# Allegro board TDI_KU5P_QSFP28_CXP_V001-20240805_1841.brd (continued)
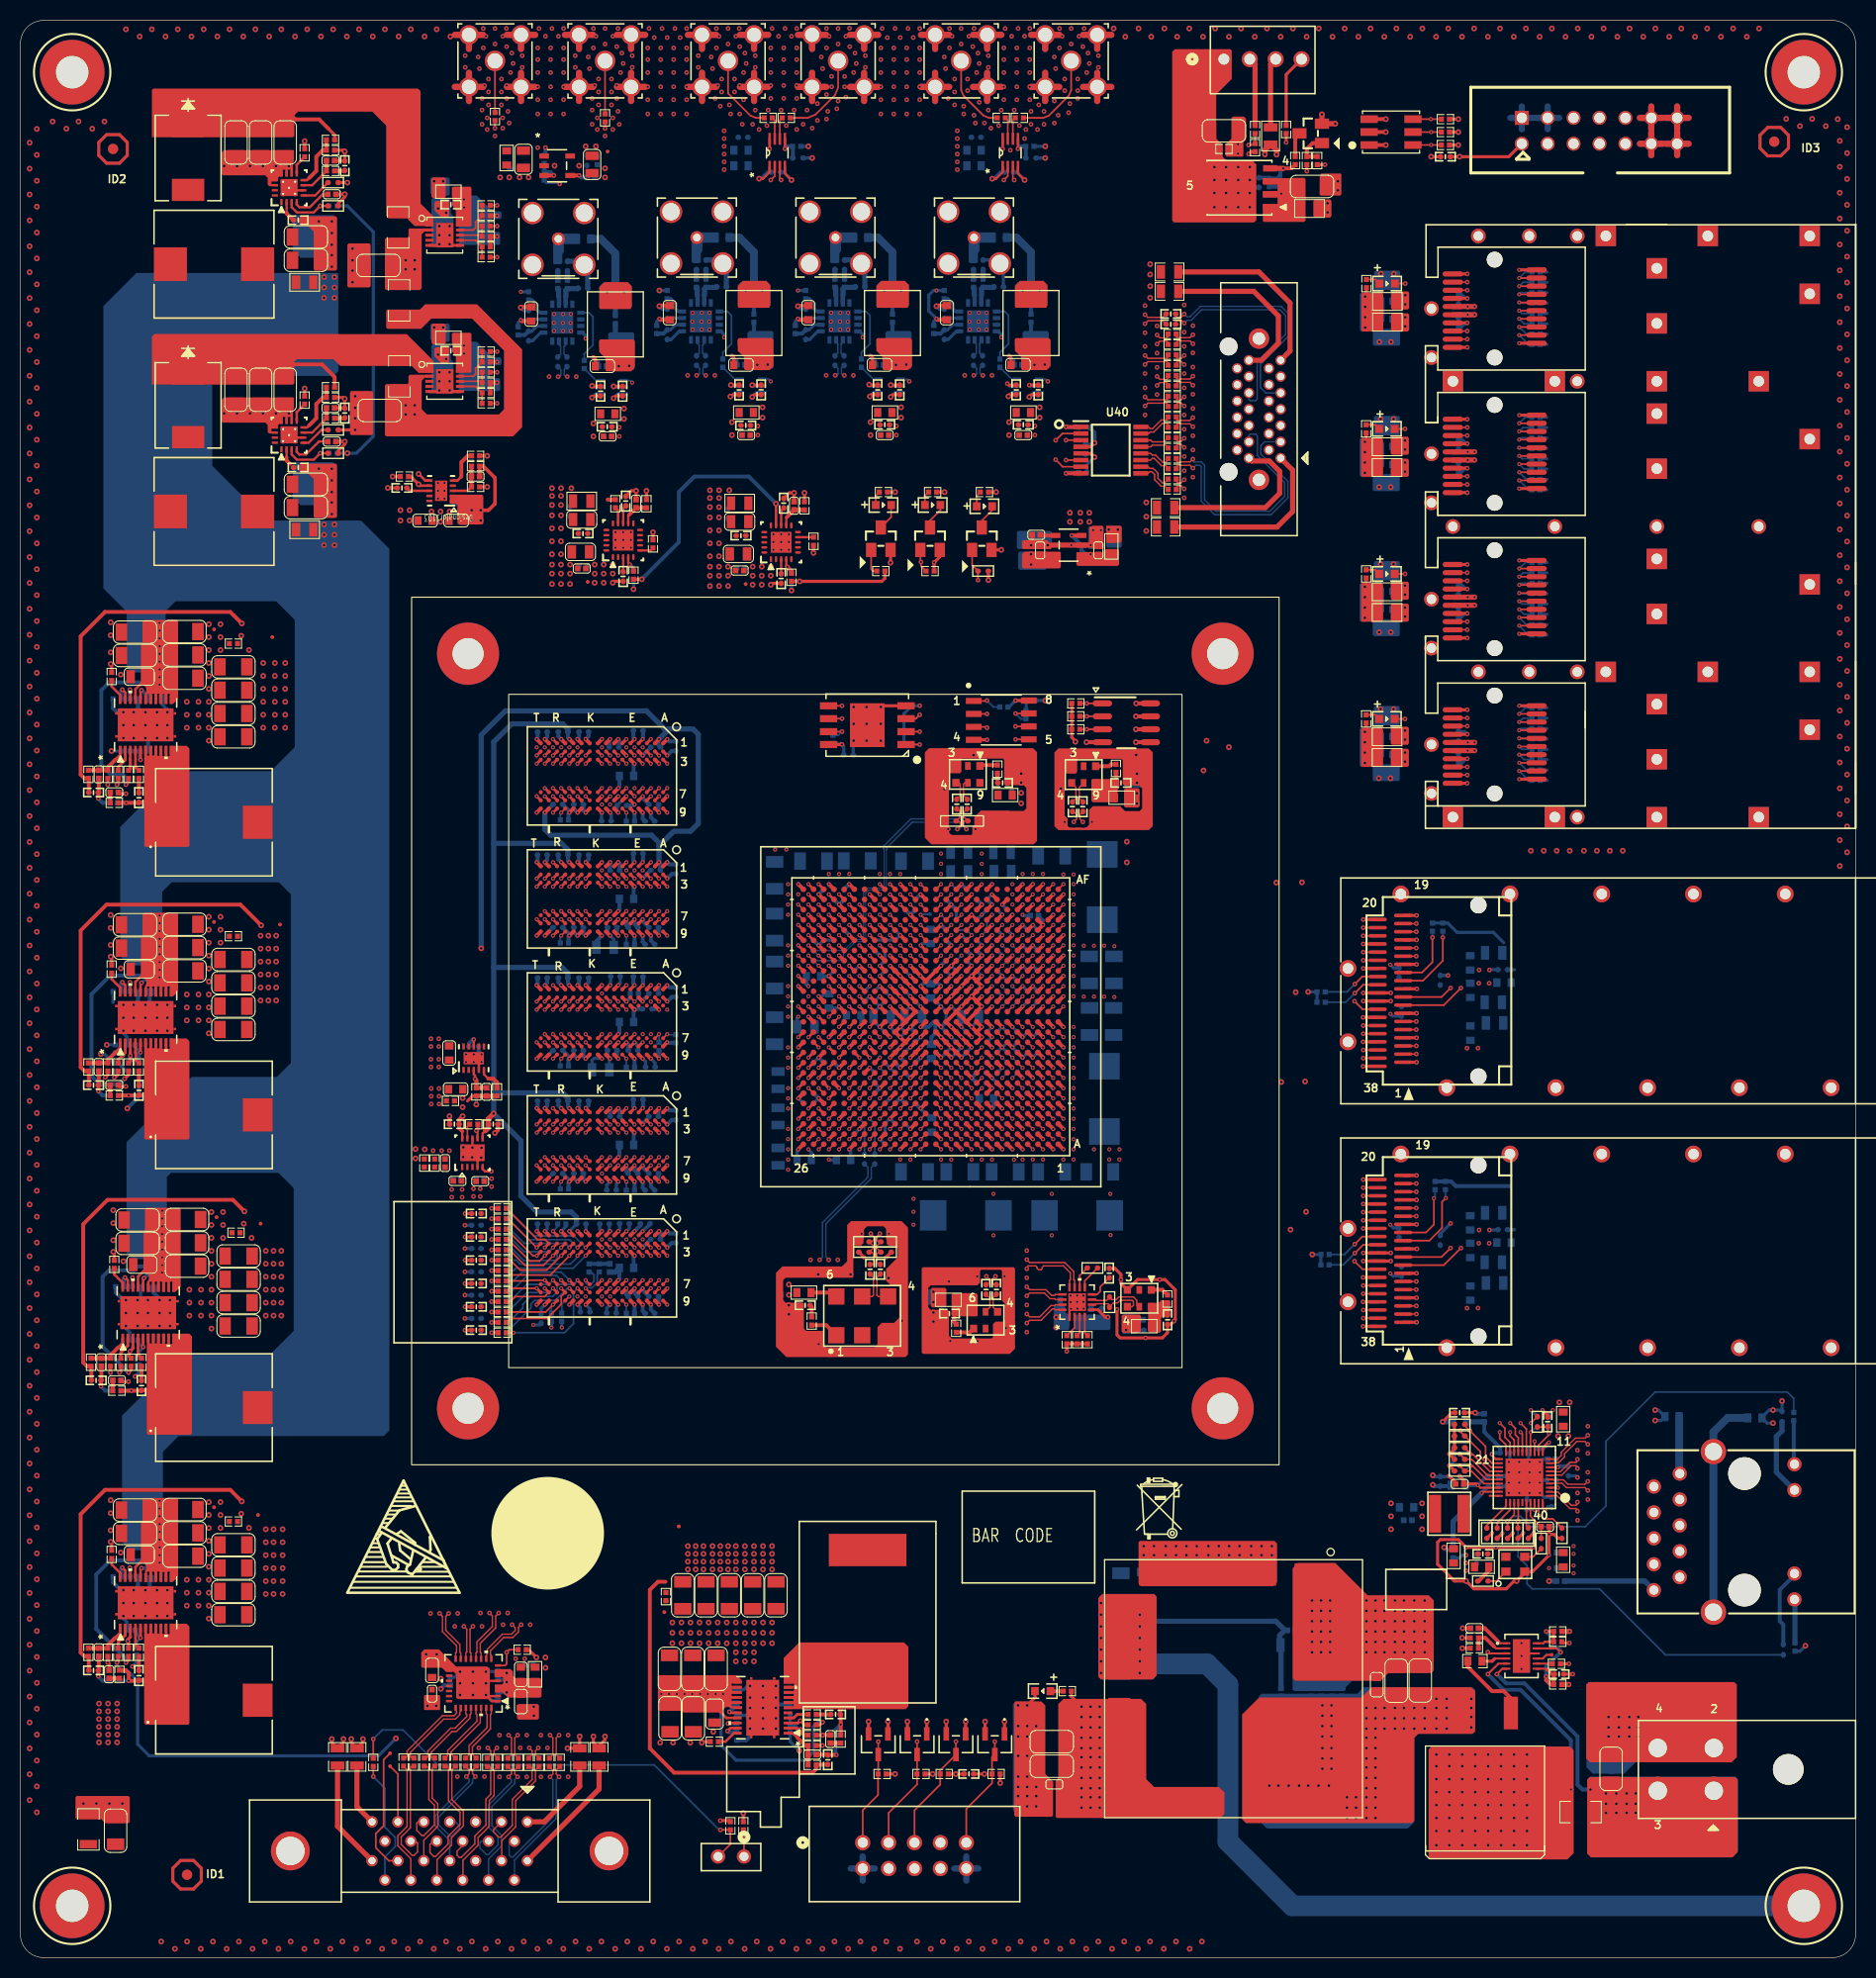
[diagram p0: board, top side]
## Routing (per net, layer and track width the routed paths; a pad name or vN(x,y) marks a point on that pad's centre or on a via; arc(x,y) is an arc through that point) (continued)
TIMING_SPI_MISO_P: length 84.8
  TOP w0.14: v2(46.74,20.57) 46.46,20.29 46.46,19.9 R380.1
  TOP w0.17: U1.C21 v1(81.29,81.27)
  ART12 w0.102: 81.96,78.77 81.96,78.79 81.9,78.84 81.9,80.59 81.62,80.88 81.39,80.88 81.29,80.98 v1(81.29,81.27)
  ART12 w0.114: 81.96,78.77 81.96,76.96 77.05,72.06 75.25,72.06 72.38,69.19 72.38,60.22 52.39,40.23 52.39,36.08 52.1,35.79 51.52,35.79 51.4,35.67 51.4,35.21 51.52,35.1 52.1,35.1 52.39,34.81 52.39,34.09 52.1,33.8 51.52,33.8 51.4,33.69 51.4,33.23 51.52,33.11 52.1,33.11 52.39,32.82 52.39,32.11 52.1,31.81 51.52,31.81 51.4,31.7 51.4,31.24 51.52,31.13 52.1,31.13 52.39,30.83 52.39,27.28 51.76,26.64 49.6,26.64 46.45,23.5 46.45,20.69 46.56,20.57 v2(46.74,20.57)
TIMING_SPI_MOSI_N: length 75.4
  TOP w0.14: v2(51.95,21.82) 52.23,21.54 52.23,19.9 R369.1
  TOP w0.17: U1.A18 v1(84.29,79.28)
  ART12 w0.114: v2(51.95,21.82) 52.12,21.82 52.24,21.93 52.24,22.43 56.27,26.46 56.27,39.22 76.01,58.96 76.01,68.3 77.16,69.44 78.63,69.44 84.59,75.41 84.59,79.19 84.51,79.28 v1(84.29,79.28)
TIMING_SPI_MOSI_P: length 75.5
  TOP w0.14: R368.1 52.55,19.9 52.55,21.54 v2(52.83,21.82)
  TOP w0.17: U1.A17 v1(85.29,79.28)
  ART12 w0.114: v2(52.83,21.82) 52.66,21.82 52.54,21.93 52.54,22.3 56.58,26.34 56.58,39.09 76.32,58.83 76.32,68.17 77.28,69.14 78.76,69.14 84.9,75.28 84.9,79.12 85.06,79.28 v1(85.29,79.28)
TO_CAMERA_CLK_N: length 124.8
  TOP w0.14: v2(110.3,160.25) 110.6,160.54 112.03,160.54 C529.2
  TOP w0.17: U1.B17 v1(85.29,80.27)
  ART05 w0.102: 84.95,78.41 84.95,78.44 84.9,78.49 84.9,80.63 85.05,80.77 85.19,80.77 85.29,80.67 v1(85.29,80.27)
  ART05 w0.114: 84.95,78.41 84.95,76 85.19,75.76 85.35,75.76 85.42,75.83 85.58,75.83 85.74,75.67 85.74,75.51 85.67,75.44 85.67,75.28 85.83,75.11 86,75.11 86.06,75.18 86.23,75.18 86.39,75.02 86.39,74.86 86.32,74.79 86.32,74.63 86.48,74.47 86.64,74.47 86.71,74.54 86.87,74.54 87.03,74.37 87.03,74.21 86.97,74.14 86.97,73.98 87.01,73.94 88.05,73.94 88.56,73.43 106.44,73.43 113.17,80.16 113.17,159.49 112.03,160.63 110.42,160.63 110.3,160.52 v2(110.3,160.25)
TO_CAMERA_CLK_P: length 125.1
  TOP w0.14: v2(110.3,161.14) 110.57,160.87 112.03,160.87 C528.2
  TOP w0.17: U1.C17 v1(85.29,81.27)
  ART05 w0.102: 84.65,78.41 84.65,78.44 84.7,78.49 84.7,80.71 84.96,80.98 85.19,80.98 85.29,81.08 v1(85.29,81.27)
  ART05 w0.114: v2(110.3,161.14) 110.5,160.94 112.16,160.94 113.48,159.62 113.48,80.04 106.57,73.13 88.43,73.13 87.92,73.63 86.88,73.63 84.65,75.87 84.65,78.41
TO_CAMERA_LVDS0_N: length 126.1
  TOP w0.14: v2(110.3,152.18) 110.58,152.46 112.44,152.46 112.57,152.34 R341.1
  TOP w0.17: U1.A15 v1(87.29,79.28)
  ART05 w0.102: v1(87.29,79.28) 87.29,79.57 87.19,79.68 87.05,79.68 86.93,79.56 86.93,78.03 86.99,77.98 86.99,77.95
  ART05 w0.114: 86.99,77.95 86.99,77.85 88.95,75.88 104.99,75.88 106.4,77.29 107.58,77.29 108.24,77.95 108.24,80 108.13,80.11 106.51,80.11 105.93,80.7 105.93,82.21 106.22,82.5 107.35,82.5 107.65,82.21 107.65,81.45 107.76,81.33 108.22,81.33 108.33,81.45 108.33,82.21 108.63,82.5 111.12,82.5 111.23,82.61 111.23,124.46 111.12,124.58 110.47,124.58 110.18,124.87 110.18,125.58 110.47,125.88 111.12,125.88 111.23,125.99 111.23,126.45 111.12,126.56 110.47,126.56 110.18,126.86 110.18,127.57 110.47,127.86 111.12,127.86 111.23,127.98 111.23,128.43 111.12,128.55 110.47,128.55 110.18,128.84 110.18,129.55 110.47,129.85 111.12,129.85 111.23,129.96 111.23,130.42 111.12,130.53 110.47,130.53 110.18,130.83 110.18,131.54 110.47,131.83 111.12,131.83 111.23,131.95 111.23,132.41 111.12,132.52 110.47,132.52 110.18,132.81 110.18,133.53 110.47,133.82 111.12,133.82 111.23,133.93 111.23,134.39 111.12,134.51 110.47,134.51 110.18,134.8 110.18,135.51 110.47,135.81 111.12,135.81 111.23,135.92 111.23,136.38 111.12,136.49 110.47,136.49 110.18,136.79 110.18,137.5 110.47,137.79 111.12,137.79 111.23,137.91 111.23,147.67 111.12,147.78 111,147.78 110.89,147.9 110.89,148.12 111,148.24 111.12,148.24 111.23,148.35 111.23,148.58 111.12,148.7 111,148.7 110.89,148.81 110.89,149.04 111,149.15 111.12,149.15 111.23,149.27 111.23,149.5 111.12,149.61 111,149.61 110.89,149.72 110.89,149.95 111,150.07 111.12,150.07 111.23,150.18 111.23,150.41 111.12,150.52 111,150.52 110.89,150.64 110.89,150.87 111,150.98 111.12,150.98 111.23,151.1 111.23,152.29 111.04,152.47 110.59,152.47 v2(110.3,152.18)
TO_CAMERA_LVDS0_P: length 126.3
  TOP w0.14: R340.1 112.57,152.92 112.44,152.79 110.58,152.79 v2(110.3,153.07)
  TOP w0.17: U1.B15 v1(87.29,80.27)
  ART05 w0.102: 86.68,77.95 86.68,77.98 86.73,78.03 86.73,79.65 86.96,79.88 87.19,79.88 87.29,79.98 v1(87.29,80.27)
  ART05 w0.114: 86.68,77.95 86.68,77.72 88.83,75.57 105.12,75.57 106.53,76.98 107.71,76.98 108.55,77.83 108.55,80.12 108.26,80.42 106.64,80.42 106.24,80.82 106.24,82.08 106.35,82.19 107.23,82.19 107.34,82.08 107.34,81.32 107.63,81.03 108.35,81.03 108.64,81.32 108.64,82.08 108.76,82.19 111.24,82.19 111.54,82.49 111.54,124.59 111.24,124.88 110.6,124.88 110.48,125 110.48,125.45 110.6,125.57 111.24,125.57 111.54,125.86 111.54,126.57 111.24,126.87 110.6,126.87 110.48,126.98 110.48,127.44 110.6,127.55 111.24,127.55 111.54,127.85 111.54,128.56 111.24,128.85 110.6,128.85 110.48,128.97 110.48,129.43 110.6,129.54 111.24,129.54 111.54,129.83 111.54,130.55 111.24,130.84 110.6,130.84 110.48,130.96 110.48,131.41 110.6,131.53 111.24,131.53 111.54,131.82 111.54,132.53 111.24,132.83 110.6,132.83 110.48,132.94 110.48,133.4 110.6,133.51 111.24,133.51 111.54,133.81 111.54,134.52 111.24,134.81 110.6,134.81 110.48,134.93 110.48,135.39 110.6,135.5 111.24,135.5 111.54,135.79 111.54,136.51 111.24,136.8 110.6,136.8 110.48,136.91 110.48,137.37 110.6,137.49 111.24,137.49 111.54,137.78 111.54,152.41 111.17,152.78 110.59,152.78 v2(110.3,153.07)
TO_CAMERA_LVDS1_N: length 126.7
  TOP w0.14: R344.1 112.57,154.34 112.44,154.47 111.76,154.47 v2(111.48,154.19)
  TOP w0.17: U1.E17 v1(85.29,83.28)
  ART05 w0.102: 88.51,81.63 88.48,81.63 88.43,81.69 86.9,81.69 86.68,81.91 86.68,82.47 86.47,82.68 85.89,82.68 85.62,82.95 85.62,83.17 85.51,83.28 v1(85.29,83.28)
  ART05 w0.114: v2(111.48,154.19) 111.19,154.48 110.05,154.48 109.51,153.95 109.51,124.51 110.56,123.47 110.56,86.6 110.26,86.31 105.36,86.31 105.25,86.19 105.25,85.78 105.36,85.67 110.24,85.67 110.53,85.37 110.53,84.66 110.24,84.37 109.76,84.37 109.65,84.25 109.65,83.53 109.35,83.24 108.64,83.24 108.35,83.53 108.35,84.25 108.23,84.37 107.78,84.37 107.66,84.25 107.66,83.53 107.37,83.24 106.66,83.24 106.36,83.53 106.36,84.25 106.25,84.37 105.36,84.37 105.25,84.25 105.25,80.46 106.11,79.6 106.11,78.54 104.11,76.54 89.57,76.54 88.71,77.39 88.71,81.53 88.61,81.63 88.51,81.63
TO_CAMERA_LVDS1_P: length 126.7
  TOP w0.14: v2(111.48,155.08) 111.76,154.8 112.44,154.8 112.57,154.93 R343.1
  TOP w0.17: U1.E16 v1(86.29,83.28)
  ART05 w0.102: v1(86.29,83.28) 85.92,83.28 85.82,83.17 85.82,83.03 85.97,82.88 86.55,82.88 86.88,82.55 86.88,81.99 86.98,81.89 88.43,81.89 88.48,81.94 88.51,81.94
  ART05 w0.114: v2(111.48,155.08) 111.48,154.9 111.37,154.79 109.92,154.79 109.21,154.07 109.21,124.38 110.25,123.34 110.25,86.73 110.13,86.62 105.24,86.62 104.94,86.32 104.94,85.65 105.24,85.36 110.11,85.36 110.22,85.24 110.22,84.79 110.11,84.67 109.64,84.67 109.34,84.38 109.34,83.66 109.23,83.54 108.77,83.54 108.66,83.66 108.66,84.38 108.36,84.67 107.65,84.67 107.35,84.38 107.35,83.66 107.24,83.54 106.78,83.54 106.67,83.66 106.67,84.38 106.37,84.67 105.24,84.67 104.94,84.38 104.94,80.34 105.8,79.48 105.8,78.66 103.98,76.84 89.69,76.84 89.02,77.52 89.02,81.66 88.74,81.94 88.51,81.94
TO_CAMERA_LVDS2_N: length 125.2
  TOP w0.14: R348.1 112.57,156.4 112.44,156.53 110.58,156.53 v2(110.3,156.25)
  TOP w0.17: U1.D15 v1(87.29,82.28)
  ART05 w0.102: 88.71,82.62 88.69,82.62 88.63,82.67 87.57,82.67 87.29,82.4 v1(87.29,82.28)
  ART05 w0.114: v2(110.3,156.25) 110.3,156.32 110.19,156.44 109.85,156.44 108.55,155.14 108.55,112.98 109.54,111.99 109.54,91.02 109.25,90.73 104.27,90.73 104.16,90.61 104.16,90.25 104.27,90.14 109.07,90.14 109.36,89.84 109.36,87.67 109.07,87.38 108.19,87.38 107.9,87.67 107.9,88.68 107.78,88.8 107.33,88.8 107.21,88.68 107.21,87.67 106.92,87.38 105.16,87.38 104.86,87.67 104.86,88.72 104.75,88.84 104.27,88.84 104.16,88.72 104.16,78.18 103.42,77.44 89.98,77.44 89.57,77.85 89.57,81.92 88.87,82.62 88.71,82.62
TO_CAMERA_LVDS2_P: length 125.5
  TOP w0.14: R347.1 112.57,156.99 112.44,156.86 110.58,156.86 v2(110.3,157.14)
  TOP w0.17: U1.E15 v1(87.29,83.28)
  ART05 w0.102: 88.71,82.93 88.69,82.93 88.63,82.88 87.39,82.88 87.29,82.98 v1(87.29,83.28)
  ART05 w0.114: v2(110.3,157.14) 110.3,156.86 110.19,156.74 109.72,156.74 108.24,155.26 108.24,112.85 109.23,111.86 109.23,91.15 109.12,91.04 104.14,91.04 103.85,90.74 103.85,90.12 104.14,89.83 108.94,89.83 109.05,89.72 109.05,87.8 108.94,87.68 108.32,87.68 108.21,87.8 108.21,88.81 107.91,89.1 107.2,89.1 106.91,88.81 106.91,87.8 106.79,87.68 105.28,87.68 105.17,87.8 105.17,88.85 104.88,89.14 104.14,89.14 103.85,88.85 103.85,78.31 103.29,77.75 90.11,77.75 89.88,77.98 89.88,82.05 89,82.93 88.71,82.93
TO_CAMERA_LVDS3_N: length 122.7
  TOP w0.14: R352.1 112.57,158.41 112.44,158.54 111.76,158.54 v2(111.48,158.25)
  TOP w0.17: U1.C16 v1(86.29,81.27)
  ART05 w0.102: 85.97,77.95 85.97,77.96 85.92,78.02 85.92,81.7 86.05,81.83 86.19,81.83 86.29,81.72 v1(86.29,81.27)
  ART05 w0.114: 85.97,77.95 85.97,77.34 88.91,74.4 89.17,74.4 89.28,74.52 89.28,74.59 89.4,74.7 89.63,74.7 89.74,74.59 89.74,74.52 89.86,74.4 90.08,74.4 90.2,74.52 90.2,74.59 90.31,74.7 90.54,74.7 90.66,74.59 90.66,74.52 90.77,74.4 91,74.4 91.11,74.52 91.11,74.59 91.23,74.7 91.46,74.7 91.57,74.59 91.57,74.52 91.68,74.4 91.91,74.4 92.03,74.52 92.03,74.59 92.14,74.7 92.37,74.7 92.48,74.59 92.48,74.52 92.6,74.4 105.02,74.4 106.97,76.35 107.99,76.35 109.23,77.6 109.23,79.17 109.53,79.47 111.1,79.47 111.21,79.58 111.21,80.04 111.1,80.15 109.53,80.15 109.23,80.45 109.23,81.11 109.53,81.41 112.09,81.41 112.2,81.52 112.2,158.48 112.08,158.6 111.6,158.6 111.48,158.48 v2(111.48,158.25)
TO_CAMERA_LVDS3_P: length 122.9
  TOP w0.14: R351.1 112.57,159.02 112.41,158.86 111.76,158.86 v2(111.48,159.14)
  TOP w0.17: U1.D16 v1(86.29,82.28)
  ART05 w0.102: v1(86.29,82.28) 86.29,82.13 86.19,82.03 85.96,82.03 85.71,81.78 85.71,78 85.66,77.95
  ART05 w0.114: 85.66,77.95 85.66,77.21 88.78,74.1 105.15,74.1 107.1,76.05 108.12,76.05 109.54,77.47 109.54,79.04 109.65,79.16 111.23,79.16 111.52,79.45 111.52,80.16 111.23,80.46 109.65,80.46 109.54,80.57 109.54,80.99 109.65,81.1 112.21,81.1 112.51,81.39 112.51,158.6 112.21,158.9 111.6,158.9 111.48,159.02 v2(111.48,159.14)
TO_CAMERA_RSV0_N: length 26
  TOP w0.14: v2(115,151.04) 114.72,150.76 113.5,150.76 113.37,150.89 R338.1
  ART10 w0.114: J14.18 120.5,150.76 120.92,151.18 121.24,151.18 121.35,151.07 121.35,147.42 123.08,145.69 123.08,144 122.41,143.33 118.25,143.33 116.4,145.19 116.4,150.19 115.89,150.7 115.14,150.7 115,150.84 v2(115,151.04)
TO_CAMERA_RSV0_P: length 25.9
  TOP w0.14: v2(115,150.15) 114.72,150.43 113.5,150.43 113.37,150.3 R335.1
  ART10 w0.114: J14.5 121.77,150.27 121.66,150.15 121.66,147.55 123.39,145.82 123.39,143.87 122.54,143.02 118.12,143.02 116.09,145.06 116.09,150.06 115.76,150.39 115.14,150.39 115,150.25 v2(115,150.15)
TO_CAMERA_RSV1_N: length 25.1
  TOP w0.14: v2(114.15,148.12) 113.87,148.4 113.5,148.4 113.37,148.27 R342.1
  ART12 w0.114: v2(114.15,148.12) 114.44,148.41 115.28,148.41 115.86,147.83 115.86,143.26 117.16,141.96 122.25,141.96 123.79,143.5 123.79,145.36 121.66,147.5 121.66,149.79 121.77,149.91 122.02,149.91 J14.4
TO_CAMERA_RSV1_P: length 25.1
  TOP w0.14: R336.1 113.37,148.86 113.5,148.73 113.87,148.73 v2(114.15,149.01)
  ART12 w0.114: J14.17 121.11,149.47 121.35,149.22 121.35,147.37 123.48,145.24 123.48,143.62 122.12,142.27 117.29,142.27 116.17,143.38 116.17,147.96 115.41,148.72 114.44,148.72 v2(114.15,149.01)
TO_CAMERA_RSV2_N: length 24.4
  TOP w0.14: R346.1 113.37,146.83 113.5,146.7 114.72,146.7 v2(115,146.98)
  BOTTOM w0.14: v2(115,146.98) 115,146.83 115.13,146.7 115.82,146.7 116.14,146.37 116.14,142.98 117.27,141.86 122.54,141.86 124,143.31 124,144.65 121.33,147.32 121.33,149.24 121.15,149.42 120.63,149.42 120.5,149.29 J14.16
TO_CAMERA_RSV2_P: length 24.5
  TOP w0.14: v2(115,146.09) 114.72,146.37 113.5,146.37 113.37,146.24 R345.1
  BOTTOM w0.14: J14.3 122.04,148.67 121.66,148.29 121.66,147.45 124.32,144.79 124.32,143.17 122.68,141.53 117.13,141.53 115.82,142.85 115.82,146.24 115.69,146.37 115.28,146.37 v2(115,146.09)
TO_CAMERA_RSV3_N: length 27.2
  TOP w0.14: R350.1 113.37,144.21 113.5,144.34 113.87,144.34 v2(114.15,144.06)
  ART05 w0.114: J14.2 122.12,148.21 121.65,148.21 121.53,148.09 121.53,147.62 124.03,145.13 124.03,142.7 122.8,141.48 120.51,141.48 120.21,141.77 120.21,143.16 120.1,143.28 119.67,143.28 119.53,143.14 119.53,141.77 119.23,141.48 118.52,141.48 118.23,141.77 118.23,143.16 118.11,143.28 117.68,143.28 117.55,143.15 117.55,141.98 117.26,141.68 116.55,141.68 116.09,142.13 116.09,143.63 115.38,144.35 114.44,144.35 v2(114.15,144.06)
TO_CAMERA_RSV3_P: length 27.2
  TOP w0.14: v2(114.15,144.95) 113.87,144.66 113.5,144.66 113.37,144.79 R349.1
  ART05 w0.114: v2(114.15,144.95) 114.44,144.65 115.51,144.65 116.4,143.76 116.4,142.26 116.67,141.99 117.13,141.99 117.24,142.1 117.24,143.28 117.55,143.59 118.26,143.59 118.53,143.32 118.53,141.9 118.65,141.78 119.1,141.78 119.22,141.9 119.22,143.27 119.54,143.59 120.25,143.59 120.52,143.32 120.52,141.9 120.63,141.78 122.67,141.78 123.72,142.83 123.72,145 121.22,147.49 121.22,147.8 121.16,147.87 J14.15
TO_DATA_ACQ_1_CLK_N: length 88.9
  ART12 w0.114: v2(78.39,68.44) 78.64,68.44 78.75,68.32 78.75,68.03 78.64,67.92 77.86,67.92 76.97,67.03 76.97,58.01 57.92,38.96 57.92,20.55 53.79,16.41 47.49,16.41 45.91,14.83 45.91,13.19 44.71,11.98 44.55,11.98 43.91,12.62 43.91,13.21 44.02,13.32 J21.5
  BOTTOM w0.14: v2(78.39,68.44) 78.67,68.72 78.67,72.11 83.13,76.56 83.13,77.5 C28.1
TO_DATA_ACQ_1_CLK_P: length 89
  ART12 w0.114: J21.18 44.65,11.49 46.22,13.06 46.22,14.71 47.62,16.1 53.91,16.1 58.23,20.42 58.23,38.84 77.28,57.89 77.28,66.9 77.99,67.61 78.77,67.61 79.06,67.91 79.06,68.32 79.17,68.44 v2(79.28,68.44)
  BOTTOM w0.14: C27.1 83.46,77.5 83.46,76.43 79,71.97 79,68.72 v2(79.28,68.44)
VREG_1: length 21.3
  TOP w0.254: v2(11.88,95.61) 11.78,95.51 U25.18
  TOP w0.305: R237.1 10.61,86.59 v2(10.23,86.21)
  BOTTOM w0.305: C389.1 12.37,96.1 v2(11.88,95.61)
  BOTTOM w0.381: v2(10.23,86.21) 9.67,85.65 7.79,85.65 6.97,86.46 6.97,94.49 8.8,96.32 12.48,96.32 C389.1
VREG_2: length 18.5
  TOP w0.254: v2(11.88,38.2) 11.78,38.11 U26.18
  TOP w0.305: v2(10.35,28.93) 10.61,29.18 R249.1
  BOTTOM w0.381: v2(11.88,38.2) 12.32,38.2 C404.1 12.3,38.96 8.83,38.96 7.43,37.57 7.43,32.23 10.35,29.31 v2(10.35,28.93)
VREG_3: length 19.2
  TOP w0.254: U27.18 12.04,66.56 v2(12.13,66.65)
  TOP w0.305: v2(10.61,57.38) 10.86,57.63 R268.1
  BOTTOM w0.381: v2(12.13,66.65) 12.5,67.02 C419.1 13.05,67.51 12.77,67.79 11.5,67.79 11.12,67.41 8.7,67.41 8.07,66.78 8.07,59.92 v2(10.61,57.38)
VREG_4: length 21.5
  TOP w0.254: U21.18 69.63,24.01 v2(69.54,24.1)
  TOP w0.305: R199.1 78.43,22.83 v2(78.68,23.09)
  BOTTOM w0.305: v2(78.68,23.09) 78.2,23.09 77.79,22.68 77.79,20.17 76.98,19.35 70.2,19.35 68.72,20.83 68.72,24.59 69.12,24.98 70.02,24.98 C339.1
  BOTTOM w0.381: v2(69.54,24.1) 70.12,24.69 C339.1
VREG_5: length 20.2
  TOP w0.254: v2(11.88,124.31) 11.78,124.21 U22.18
  TOP w0.305: R212.1 10.61,115.29 v2(10.35,115.04)
  BOTTOM w0.381: v2(11.88,124.31) 12.52,123.66 C356.1 12.64,123.59 12.64,124.69 12.26,125.07 8.7,125.07 7.94,124.31 7.94,116.94 8.83,116.05 9.97,116.05 10.35,115.67 v2(10.35,115.04)
N23163314: length 2
  BOTTOM w0.381: C223.1 R101.2 R100.2
N23165073: length 1.5
  TOP w0.17: R87.2 43.84,81.51 U10.9
N23171960: length 1.3
  TOP w0.17: U5.N9 v1(53.04,100.23)
  BOTTOM w0.17: R56.1 52.95,100.15 v1(53.04,100.23)
N23171980: length 1.4
  TOP w0.17: U5.F9 v1(59.44,100.23)
  BOTTOM w0.17: v1(59.44,100.23) 59.43,100.23 R57.2
N23176531: length 1.3
  TOP w0.17: U6.N9 v1(53.04,112.3)
  BOTTOM w0.17: R58.1 52.95,112.21 v1(53.04,112.3)
N23176551: length 1.4
  TOP w0.17: U6.F9 v1(59.44,112.3)
  BOTTOM w0.17: R59.2 59.43,112.29 v1(59.44,112.3)
N23180885: length 1.3
  TOP w0.17: U7.N9 v1(53.04,76.1)
  BOTTOM w0.17: v1(53.04,76.1) 52.95,76.02 R64.1
N23180905: length 1.4
  TOP w0.17: U7.F9 v1(59.44,76.1)
  BOTTOM w0.17: R66.2 59.43,76.1 v1(59.44,76.1)
N23181582: length 2.5
  TOP w0.17: U9.N9 v1(53.84,64.84)
  BOTTOM w0.17: R96.1 53.1,64.1 v1(53.84,64.84)
N23181602: length 1.4
  TOP w0.17: U9.F9 v1(59.44,64.04)
  BOTTOM w0.17: R98.2 59.43,64.03 v1(59.44,64.04)
N23186587: length 1.3
  TOP w0.17: U8.N9 v1(53.04,88.17)
  BOTTOM w0.17: v1(53.04,88.17) 52.95,88.08 R63.1
N23186607: length 1.4
  TOP w0.17: U8.F9 v1(59.44,88.17)
  BOTTOM w0.17: R65.2 59.43,88.16 v1(59.44,88.17)
N23240799: length 0.9
  BOTTOM w0.508: R152.2 66.3,165.56 C282.2
N23240813: length 4.4
  BOTTOM w0.508: 66.3,167.5 C282.1 66.3,167.5 66.3,167.5 ; 66.3,167.5 66.35,167.55
  BOTTOM w1.016: J9.1 66.35,167.55 66.35,168.7
N23241133: length 0.9
  BOTTOM w0.508: C284.2 67.24,165.56 R153.2
N23241235: length 2.7
  BOTTOM w0.432: 67.09,163.06 67.07,163.04 U13.3
  BOTTOM w0.508: 67.09,163.06 67.09,163.66 R153.1 68.25,163.82 C287.2
N23241584: length 2.3
  BOTTOM w0.305: U13.16 64.53,161.45 64.28,161.7 64.28,162.21 63.79,162.71 R149.1
N23242165: length 2.9
  BOTTOM w0.305: U13.14 64.25,160.15 63.75,159.64 C277.1
  BOTTOM w0.381: L19.1 63.07,159.28 C277.1
N23244330: length 6
  BOTTOM w0.17: R155.1 68.89,157.43 69.74,158.28 69.74,161.07 69.36,161.45 U13.5
N23320159: length 2.5
  TOP w0.17: DS1.2 95.31,141.96 94.3,140.94 Q1.3
N23322808: length 5
  TOP w0.381: U1.N14 v1(88.29,91.27)
  BOTTOM w0.381: L1.2 89.35,90.27 C3.1 89.73,90.91 89.73,91.65 C2.1 89.58,91.78 89.08,91.27 v1(88.29,91.27)
N23917846: length 1.4
  TOP w0.381: U1.J16 v1(86.29,87.27)
  BOTTOM w0.381: v1(86.29,87.27) 85.8,87.77 R36.1
N23941687: length 1.5
  TOP w0.17: U8.E2 v1(60.24,93.77)
  BOTTOM w0.17: R60.2 60.61,94.15 v1(60.24,93.77)
N23941693: length 1.4
  TOP w0.17: U8.B7 v1(62.64,90.57)
  BOTTOM w0.17: R61.1 62.63,90.56 v1(62.64,90.57)
N23941705: length 1.4
  TOP w0.17: U8.A7 v1(63.44,90.57)
  BOTTOM w0.17: v1(63.44,90.57) 63.49,90.52 R62.1
N23968505: length 1.4
  TOP w0.381: U1.W18 v1(84.29,98.28)
  BOTTOM w0.381: v1(84.29,98.28) 83.8,98.78 R44.1
N23971155: length 2.4
  TOP w0.381: U1.V18 v1(84.29,97.28)
  BOTTOM w0.305: R45.1 84.8,97.78 v1(84.29,97.28)
N24009245: length 1.4
  TOP w0.381: U1.AF23 v1(79.29,105.28)
  BOTTOM w0.381: U1.AF23 v1(79.29,105.28)
N24009981: length 1.4
  TOP w0.381: U1.W21 v1(81.29,98.28)
  BOTTOM w0.381: U1.W21 v1(81.29,98.28)
N24010376: length 1.4
  TOP w0.381: U1.M22 v1(80.29,90.27)
  BOTTOM w0.381: U1.M22 v1(80.29,90.27)
N24127214: length 4
  TOP w0.381: 80.42,24.6 C336.2 80.46,23.81 v1(80.46,22.85) R197.2
  BOTTOM w0.381: R196.1 79.95,22.35 v1(80.46,22.85)
N24127352: length 2.2
  TOP w0.254: U21.22 69.98,22.01 69.15,21.18 R192.2
N24127394: length 4.4
  TOP w0.279: 76.21,21.56 75.77,22.01 U21.1
  TOP w0.381: 76.21,21.56 76.97,20.8 R190.2 C335.1 R191.2
N24127396: length 2.1
  TOP w0.254: v2(69.35,22.22) 69.64,22.51 U21.21
  BOTTOM w0.381: v2(69.35,22.22) 69.46,22.12 R193.2
N24127406: length 1.8
  TOP w0.254: U21.20 69.46,23.01 v2(69.41,22.96)
  BOTTOM w0.381: v2(69.41,22.96) 69.41,22.97 R194.1
N24127447: length 1.4
  TOP w0.381: R195.2 C336.1
N24533060: length 7.2
  BOTTOM w0.381: R147.1 71.94,162.25
  BOTTOM w0.762: 71.94,164.13 71.94,167.28 70.52,168.7 L23.2
  vias: v3(71.14,163.48) v3(72.79,163.48)
N24534213: length 0.9
  TOP w0.381: R324.1 95.82,115.25
N24534304: length 1.8
  TOP w0.381: R324.2 94.19,116.96 X1.1
N24547051: length 1.5
  TOP w0.17: U1.V7 v1(96.3,97.28)
  BOTTOM w0.14: C48.1 96.8,97.78 v1(96.3,97.28)
N24547053: length 1.5
  TOP w0.17: U1.V6 v1(97.3,97.28)
  BOTTOM w0.14: v1(97.3,97.28) 97.8,97.78 C49.1
N24660823: length 3.9
  TOP w0.381: C524.1 77.61,63.82 R332.1 ; U39.6 79.64,65.23 L63.1
N24660876: length 2.8
  TOP w0.381: U39.1 79.03,62.03 R332.2
N24672320: length 4.4
  TOP w0.17: U1.D19 v1(83.29,82.28)
  BOTTOM w0.17: v1(83.29,82.28) 83.79,81.78 TP7.1 R42.1 R43.2 C27.2
N24672321: length 4.4
  TOP w0.17: U1.D20 v1(82.29,82.28)
  BOTTOM w0.17: C28.2 R41.2 R40.1 TP8.1 82.79,81.78 v1(82.29,82.28)
N25142150: length 1.5
  TOP w0.17: DS1.1 93.79,143.38 R6.2
N25143762: length 1.4
  TOP w0.381: U1.F17 v1(85.29,84.27)
  BOTTOM w0.381: v1(85.29,84.27) 85.29,84.27 R39.2
N25147054: length 1.4
  TOP w0.17: U1.J18 v1(84.29,87.27)
  BOTTOM w0.17: v1(84.29,87.27) 84.79,86.78 R53.1
N25151346: length 1.4
  TOP w0.17: U1.K7 v1(96.3,88.28)
  BOTTOM w0.14: C50.1 v1(96.3,88.28)
N25151349: length 1.4
  TOP w0.17: U1.K6 v1(97.3,88.28)
  BOTTOM w0.14: v1(97.3,88.28) 97.3,88.27 C52.1
N25440425: length 1.7
  BOTTOM w0.14: C283.1 66.58,157.38 66.58,158.15 66.42,158.31 U13.11
N25440426: length 1.7
  BOTTOM w0.14: C285.1 66.91,157.39 66.91,158.13 67.07,158.29 U13.10
N25442672: length 7.2
  BOTTOM w0.508: R146.1 58.35,162.13
  BOTTOM w0.762: L22.2 56.93,168.57 58.35,167.15 58.35,164
  vias: v3(57.55,163.36) v3(59.2,163.36)
N25442778: length 1.7
  BOTTOM w0.14: C279.1 52.99,157.25 52.99,158.02 52.83,158.18 U14.11
N25442780: length 1.7
  BOTTOM w0.14: U14.10 53.48,158.16 53.32,158 53.32,157.26 C281.1
N25442824: length 0.9
  BOTTOM w0.508: C278.2 52.71,165.43 R150.2
N25442826: length 4.4
  BOTTOM w0.508: 52.71,167.38 52.71,167.38 C278.1 ; 52.71,167.38 52.71,166.37 ; 52.71,167.38 52.76,167.43
  BOTTOM w1.016: 52.76,167.43 J8.1 ; 52.76,168.57 52.76,167.43
N25442844: length 0.9
  BOTTOM w0.508: R151.2 C280.2
N25442850: length 2.7
  BOTTOM w0.432: 53.5,162.93 53.48,162.91 U14.3
  BOTTOM w0.508: 53.5,162.93 53.5,163.54 R151.1 54.66,163.69 C286.2
N25442864: length 2.3
  BOTTOM w0.305: R148.1 50.2,162.58 50.69,162.09 50.69,161.58 50.94,161.33 U14.16
N25442868: length 2.9
  BOTTOM w0.305: U14.14 50.67,160.03 50.16,159.52 C276.1
  BOTTOM w0.381: L18.1 49.48,159.15 C276.1
N25442963: length 6
  BOTTOM w0.17: R154.1 55.3,157.3 56.15,158.15 56.15,160.94 55.77,161.33 U14.5
N25446827: length 7.2
  BOTTOM w0.381: R157.1 85.53,162.25
  BOTTOM w0.762: L29.2 84.11,168.7 85.53,167.28 85.53,164.13
  vias: v3(84.73,163.48) v3(86.38,163.48)
N25446933: length 1.7
  BOTTOM w0.14: U17.11 80.01,158.44 80.17,158.28 80.17,157.38 C307.1
N25446935: length 1.7
  BOTTOM w0.14: C309.1 80.5,157.39 80.5,158.28 80.66,158.44 U17.10
N25446979: length 0.9
  BOTTOM w0.508: R162.2 79.89,165.56 C306.2
N25446981: length 4.4
  BOTTOM w0.508: 79.89,167.5 79.89,167.5 C306.1 ; 79.89,167.5 79.89,166.5 ; 79.89,167.5 79.94,167.55
  BOTTOM w1.016: 79.94,168.7 79.94,167.55 ; 79.94,167.55 J11.1
N25446999: length 0.9
  BOTTOM w0.508: C308.2 80.83,165.56 R163.2
N25447005: length 2.7
  BOTTOM w0.432: 80.68,163.06 80.66,163.04 U17.3
  BOTTOM w0.508: C311.2 81.84,163.82 R163.1 80.68,163.66 80.68,163.06
N25447019: length 2.3
  BOTTOM w0.305: R159.1 77.38,162.71 77.87,162.21 77.87,161.7 78.12,161.45 U17.16
N25447100: length 2.9
  BOTTOM w0.305: C301.1 77.33,159.64 77.84,160.15 U17.14
  BOTTOM w0.381: C301.1 76.66,159.28 L25.1
N25447139: length 7.2
  BOTTOM w0.381: R156.1 99.12,162.25
  BOTTOM w0.762: L28.2 97.7,168.7 99.12,167.28 99.12,164.13
  vias: v3(98.32,163.48) v3(99.97,163.48)
N25447233: length 1.7
  BOTTOM w0.14: U18.11 93.6,158.44 93.76,158.28 93.76,157.38 C303.1
N25447235: length 1.7
  BOTTOM w0.14: U18.10 94.25,158.44 94.08,158.28 94.08,157.39 C305.1
N25447291: length 0.9
  BOTTOM w0.508: C302.2 R160.2
N25447293: length 4.4
  BOTTOM w0.508: 93.48,167.5 93.53,167.55 ; 93.48,167.5 C302.1 93.48,167.5 93.48,167.5
  BOTTOM w1.016: 93.53,168.7 93.53,167.55 J10.1
N25447311: length 0.9
  BOTTOM w0.508: R161.2 94.42,164.62 C304.2
N25447317: length 2.7
  BOTTOM w0.432: 94.27,163.06 94.25,163.04 U18.3
  BOTTOM w0.508: 94.27,163.06 94.27,163.66 R161.1 95.43,163.82 C310.2
N25447333: length 2.3
  BOTTOM w0.305: U18.16 91.71,161.45 91.46,161.7 91.46,162.21 90.96,162.71 R158.1
N25447337: length 2.9
  BOTTOM w0.305: C300.1 90.92,159.64 91.43,160.15 U18.14
  BOTTOM w0.381: L24.1 90.25,159.28 C300.1
N25447429: length 6
  BOTTOM w0.17: U18.5 96.54,161.45 96.92,161.07 96.92,158.28 96.07,157.43 R164.1
N25447534: length 6
  BOTTOM w0.17: U17.5 82.95,161.45 83.33,161.07 83.33,158.28 82.48,157.43 R165.1
N25659786: length 3.8
  TOP w0.229: v2(44.59,86.18) 44.59,86.51 44.47,86.64 U28.3
  TOP w0.381: v2(44.59,86.18) 44.72,86.06 R274.2 C437.1
  BOTTOM w0.381: R274.2 44.72,86.06 v2(44.59,86.18)
N25659816: length 1.6
  TOP w0.229: U28.8 v2(44.47,90.04)
  BOTTOM w0.381: C441.1 44,89.65 44.39,90.04 v2(44.47,90.04)
N25659818: length 2.6
  TOP w0.229: U28.5 45.47,86.63 45.89,86.21
  TOP w0.381: 45.89,86.21 46.37,86.21 46.75,85.83 R271.2
N25661639: length 4
  TOP w0.254: U29.3 43.86,143.87 R276.1
  TOP w0.381: R276.1 C432.1 R272.2
N25661667: length 2.3
  TOP w0.254: C440.1 38.18,143.87 U29.8
N25661669: length 3.7
  TOP w0.254: 43.25,145.25 42.87,144.87 U29.5
  TOP w0.381: R270.2 43.88,147.29 43.25,146.66 43.25,145.25
